# Altium PCB Main_PCB.PcbDoc (part 11 of 13) (continued)
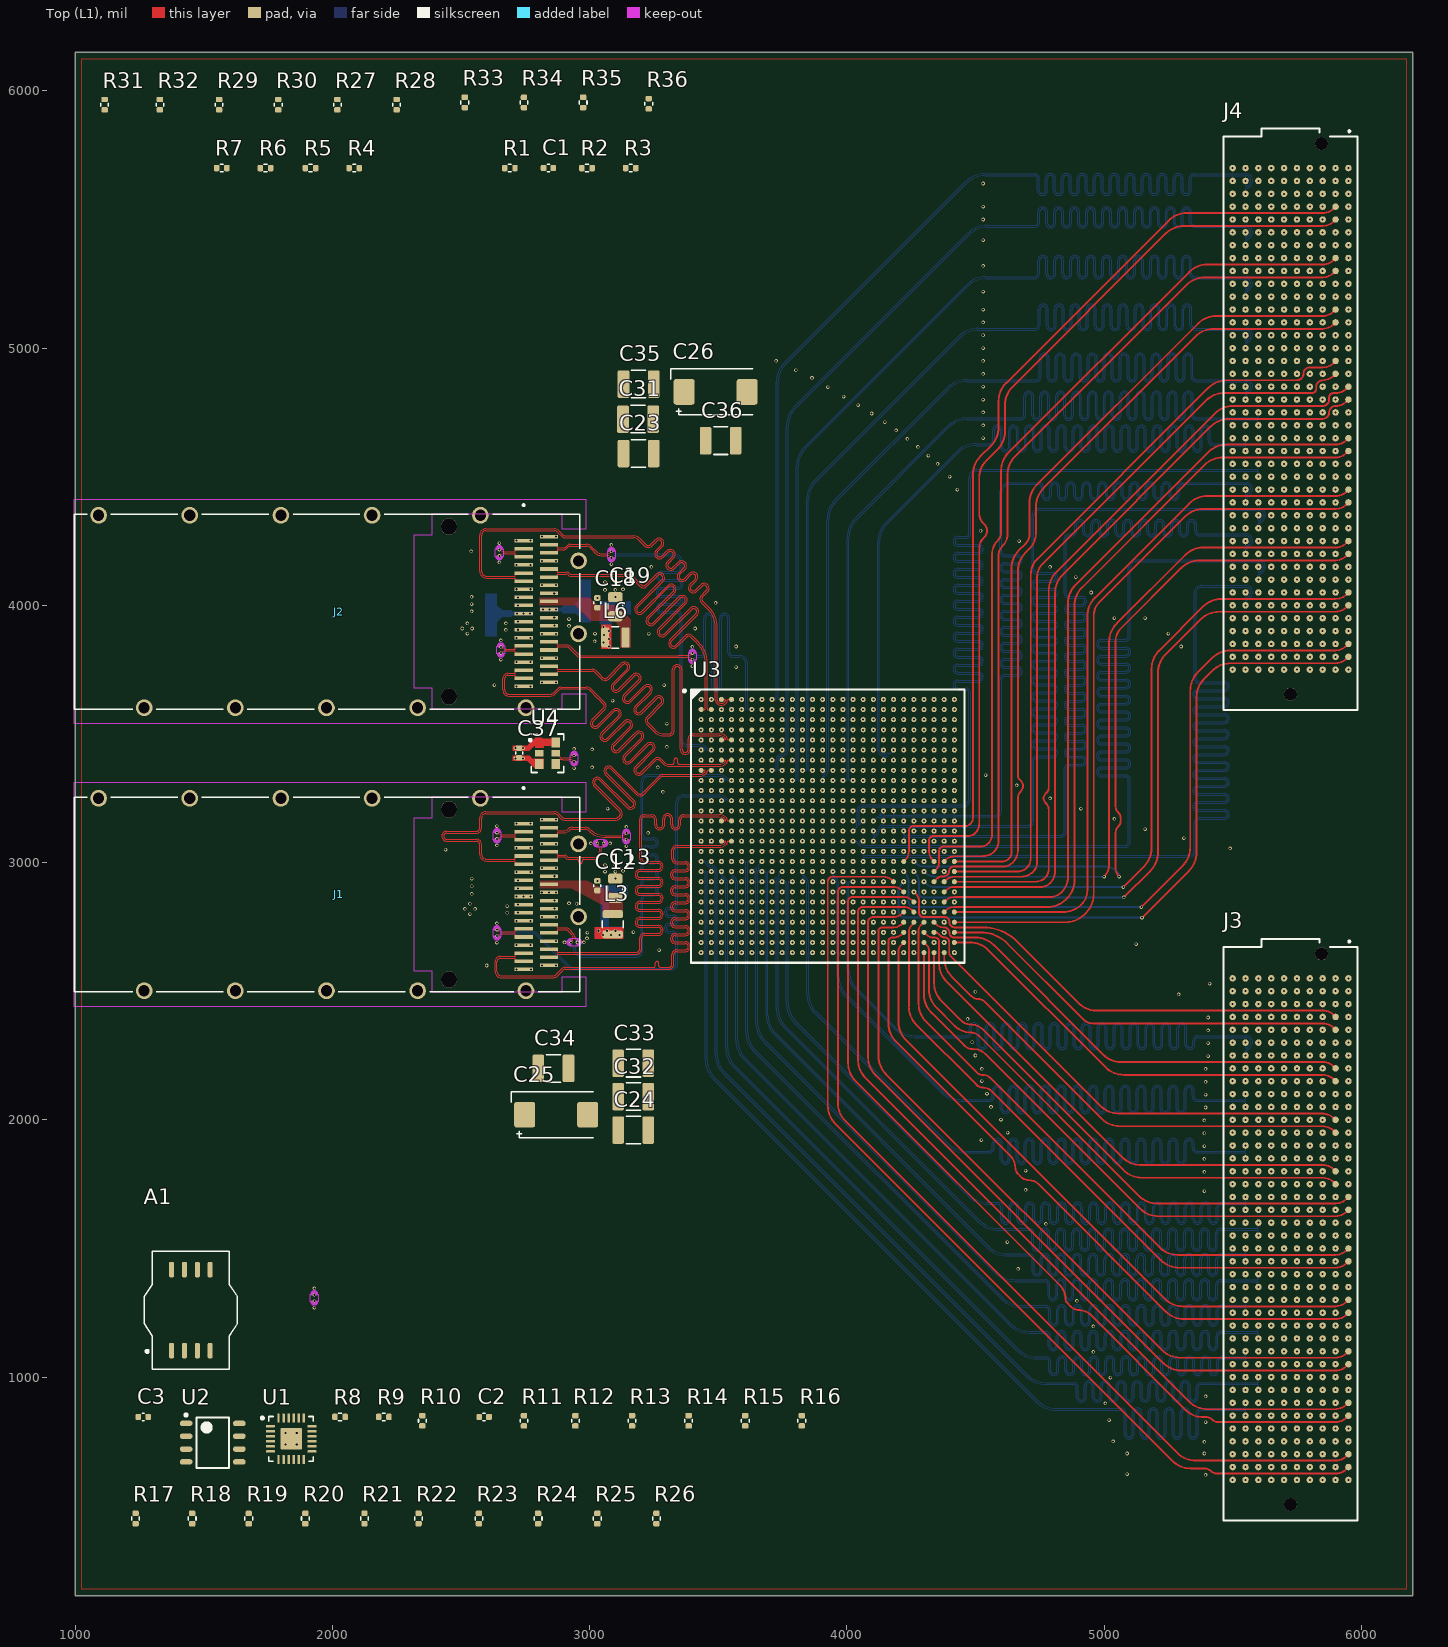
[diagram p0: Top (L1) view]
## Nets (pads, with @x,y where several pads share a name; then routed paths per layer and width w, separated by ;. In a path a pad name is that pad's centre, name@x,y a point inside that pad or via, vN(x,y) a via of type N, cw(c..) or ccw(c..) an arc to the next point about the centre after c; other vN are vias at no path point) (continued)
HPCC_B_62_N: J4.H37 U3.R20 | length 3813.9
  Int9 (L10) w3.5: v1(4181.89,3083.07) 4181.89,3070.64 ccw(c4185.39,3070.64) 4182.91,3068.16 ccw(c4185.39,3070.64) 4185.39,3067.14 5326.01,3067.14 ccw(c5326.01,3093.99) 5345,3075 ccw(c5332.93,3087.07) 5350,3087.07 5350,3288.92 5350,3327.37 cw(c5370.55,3327.37) 5370.55,3347.92 5465.61,3347.92 ccw(c5465.61,3359.67) 5465.61,3371.42 5368.71,3371.42 cw(c5368.71,3391.97) 5368.71,3412.52 5465.61,3412.52 ccw(c5465.61,3424.27) 5465.61,3436.02 5368.71,3436.02 cw(c5368.71,3456.57) 5368.71,3477.12 5465.61,3477.12 ccw(c5465.61,3488.87) 5465.61,3500.62 5368.71,3500.62 cw(c5368.71,3521.17) 5368.71,3541.72 5465.61,3541.72 ccw(c5465.61,3553.47) 5465.61,3565.22 5368.71,3565.22 cw(c5368.71,3585.77) 5368.71,3606.32 5465.61,3606.32 ccw(c5465.61,3618.07) 5465.61,3629.82 5368.71,3629.82 cw(c5368.71,3650.37) 5368.71,3670.92 5465.61,3670.92 ccw(c5465.61,3682.67) 5465.61,3694.42 5370.55,3694.42 cw(c5370.55,3714.97) 5350,3714.97 5350,3757 5350,3950.03 cw(c5379.97,3950.03) 5358.78,3971.22 cw(c5377.07,3952.93) 5377.07,3978.8 5602.93,3978.8 cw(c5602.93,3952.93) 5621.22,3971.22 cw(c5602.93,3952.93) 5628.8,3952.93 5628.8,3950 cw(c5604.66,3950) 5621.73,3932.93 5613.56,3924.76 cw(c5603.5,3934.84) 5603.5,3920.6 ccw(c5603.5,3917.1) 5601.03,3919.57 ccw(c5603.5,3917.1) 5600,3917.1 v1(5600,3900)
HPCC_B_62_P: J4.H36 U3.T20 | length 3786.6
  Int9 (L10) w3.5: v1(4181.89,3043.7) 4181.89,3056.14 cw(c4185.39,3056.14) 4182.91,3058.61 cw(c4185.39,3056.14) 4185.39,3059.64 4435,3059.64 ccw(c4438.14,3062.77) 4438.14,3058.34 5326.01,3058.34 ccw(c5326.01,3093.99) 5351.22,3068.78 ccw(c5332.93,3087.07) 5358.8,3087.07 5358.8,3288.92 5358.8,3327.37 cw(c5370.55,3327.37) 5370.55,3339.12 5465.61,3339.12 ccw(c5465.61,3359.67) 5465.61,3380.22 5368.71,3380.22 cw(c5368.71,3391.97) 5368.71,3403.72 5465.61,3403.72 ccw(c5465.61,3424.27) 5465.61,3444.82 5368.71,3444.82 cw(c5368.71,3456.57) 5368.71,3468.32 5465.61,3468.32 ccw(c5465.61,3488.87) 5465.61,3509.42 5368.71,3509.42 cw(c5368.71,3521.17) 5368.71,3532.92 5465.61,3532.92 ccw(c5465.61,3553.47) 5465.61,3574.02 5368.71,3574.02 cw(c5368.71,3585.77) 5368.71,3597.52 5465.61,3597.52 ccw(c5465.61,3618.07) 5465.61,3638.62 5368.71,3638.62 cw(c5368.71,3650.37) 5368.71,3662.12 5465.61,3662.12 ccw(c5465.61,3682.67) 5465.61,3703.22 5370.55,3703.22 cw(c5370.55,3714.97) 5358.8,3714.97 5358.8,3757 5358.8,3950.03 cw(c5379.97,3950.03) 5365,3965 cw(c5377.07,3952.93) 5377.07,3970 5602.93,3970 cw(c5602.93,3952.93) 5615,3965 cw(c5602.93,3952.93) 5620,3952.93 5620,3950 cw(c5604.66,3950) 5615.51,3939.15 5607.34,3930.99 cw(c5603.5,3934.84) 5603.5,3929.4 cw(c5603.5,3932.9) 5601.03,3930.43 cw(c5603.5,3932.9) 5600,3932.9 v1(5600,3950)
HPCC_B_63_N: J4.J3 U3.A8 | length 4815.9
  Bot (L12) w3.5: v1(3709.45,3634.25) 3721.86,3634.25 ccw(c3721.86,3637.75) 3724.33,3635.28 ccw(c3721.86,3637.75) 3725.36,3637.75 3725.36,4866.49 cw(c3832.91,4866.49) 3756.86,4942.54 4460.37,5646.05 cw(c4536.42,5570) 4536.42,5677.55 4701.35,5677.55 4729.39,5677.55 cw(c4729.39,5658.25) 4748.69,5658.25 4748.69,5612.82 ccw(c4760.44,5612.82) 4772.19,5612.82 4772.19,5659.37 cw(c4791.49,5659.37) 4810.79,5659.37 4810.79,5612.82 ccw(c4822.54,5612.82) 4834.29,5612.82 4834.29,5659.37 cw(c4853.59,5659.37) 4872.89,5659.37 4872.89,5612.82 ccw(c4884.64,5612.82) 4896.39,5612.82 4896.39,5659.37 cw(c4915.69,5659.37) 4934.99,5659.37 4934.99,5612.82 ccw(c4946.74,5612.82) 4958.49,5612.82 4958.49,5659.37 cw(c4977.79,5659.37) 4997.09,5659.37 4997.09,5612.82 ccw(c5008.84,5612.82) 5020.59,5612.82 5020.59,5659.37 cw(c5039.89,5659.37) 5059.19,5659.37 5059.19,5612.82 ccw(c5070.94,5612.82) 5082.69,5612.82 5082.69,5659.37 cw(c5101.99,5659.37) 5121.29,5659.37 5121.29,5612.82 ccw(c5133.04,5612.82) 5144.79,5612.82 5144.79,5659.37 cw(c5164.09,5659.37) 5183.39,5659.37 5183.39,5612.82 ccw(c5195.14,5612.82) 5206.89,5612.82 5206.89,5659.37 cw(c5226.19,5659.37) 5245.49,5659.37 5245.49,5612.82 ccw(c5257.24,5612.82) 5268.99,5612.82 5268.99,5659.37 cw(c5288.29,5659.37) 5307.59,5659.37 5307.59,5612.82 ccw(c5319.34,5612.82) 5331.09,5612.82 5331.09,5658.25 cw(c5350.39,5658.25) 5350.39,5677.55 5355.92,5677.55 5552.93,5677.55 cw(c5552.93,5652.93) 5570.34,5670.34 cw(c5552.93,5652.93) 5577.55,5652.93 5577.55,5650 cw(c5550.14,5650) 5569.52,5630.62 5564.81,5625.91 cw(c5553.5,5637.22) 5553.5,5621.22 ccw(c5553.5,5617.72) 5551.03,5620.2 ccw(c5553.5,5617.73) 5550,5617.73 v1(5550,5600)
HPCC_B_63_P: J4.J2 U3.A9 | length 4780.2
  Bot (L12) w3.5: v1(3748.82,3634.25) 3736.41,3634.25 cw(c3736.41,3637.75) 3733.93,3635.28 cw(c3736.41,3637.75) 3732.91,3637.75 3732.91,4866.49 cw(c3832.91,4866.49) 3762.2,4937.2 4465.71,5640.71 cw(c4536.42,5570) 4536.42,5670 4701.35,5670 4729.39,5670 cw(c4729.39,5658.25) 4741.14,5658.25 4741.14,5612.82 ccw(c4760.44,5612.82) 4779.74,5612.82 4779.74,5659.37 cw(c4791.49,5659.37) 4803.24,5659.37 4803.24,5612.82 ccw(c4822.54,5612.82) 4841.84,5612.82 4841.84,5659.37 cw(c4853.59,5659.37) 4865.34,5659.37 4865.34,5612.82 ccw(c4884.64,5612.82) 4903.94,5612.82 4903.94,5659.37 cw(c4915.69,5659.37) 4927.44,5659.37 4927.44,5612.82 ccw(c4946.74,5612.82) 4966.04,5612.82 4966.04,5659.37 cw(c4977.79,5659.37) 4989.54,5659.37 4989.54,5612.82 ccw(c5008.84,5612.82) 5028.14,5612.82 5028.14,5659.37 cw(c5039.89,5659.37) 5051.64,5659.37 5051.64,5612.82 ccw(c5070.94,5612.82) 5090.24,5612.82 5090.24,5659.37 cw(c5101.99,5659.37) 5113.74,5659.37 5113.74,5612.82 ccw(c5133.04,5612.82) 5152.34,5612.82 5152.34,5659.37 cw(c5164.09,5659.37) 5175.84,5659.37 5175.84,5612.82 ccw(c5195.14,5612.82) 5214.44,5612.82 5214.44,5659.37 cw(c5226.19,5659.37) 5237.94,5659.37 5237.94,5612.82 ccw(c5257.24,5612.82) 5276.54,5612.82 5276.54,5659.37 cw(c5288.29,5659.37) 5300.04,5659.37 5300.04,5612.82 ccw(c5319.34,5612.82) 5338.64,5612.82 5338.64,5658.25 cw(c5350.39,5658.25) 5350.39,5670 5355.92,5670 5552.93,5670 cw(c5552.93,5652.93) 5565,5665 cw(c5552.93,5652.93) 5570,5652.93 5570,5650 cw(c5550.14,5650) 5564.18,5635.96 5559.49,5631.27 cw(c5557.02,5633.74) 5558.36,5630.51 5554.85,5629.04 cw(c5553.5,5632.27) 5553.5,5628.78 cw(c5553.5,5632.28) 5551.03,5629.8 cw(c5553.5,5632.27) 5550,5632.27 v1(5550,5650)
HPCC_B_64_N: J4.J7 U3.H8 | length 4814.3
  Bot (L12) w3.5: v1(3709.45,3358.66) 3721.88,3358.66 ccw(c3721.88,3362.16) 3724.36,3359.69 ccw(c3721.88,3362.16) 3725.38,3362.16 3725.38,3401.6 cw(c3743.4,3401.6) 3730.66,3414.34 3730.71,3414.39 cw(c3748,3397.1) 3748,3421.55 3749.26,3421.55 ccw(c3749.26,3436.74) 3760,3426 ccw(c3747.93,3438.07) 3765,3438.07 3765,4696.13 cw(c3872.55,4696.13) 3796.5,4772.18 4470.37,5446.05 cw(c4546.42,5370) 4546.42,5477.55 4702,5477.55 4730.42,5477.55 ccw(c4730.42,5489.3) 4742.17,5489.3 4742.17,5529.16 cw(c4761.47,5529.16) 4780.77,5529.16 4780.77,5486.32 ccw(c4792.52,5486.32) 4804.27,5486.32 4804.27,5529.16 cw(c4823.57,5529.16) 4842.87,5529.16 4842.87,5486.32 ccw(c4854.62,5486.32) 4866.37,5486.32 4866.37,5529.16 cw(c4885.67,5529.16) 4904.97,5529.16 4904.97,5486.32 ccw(c4916.72,5486.32) 4928.47,5486.32 4928.47,5529.16 cw(c4947.77,5529.16) 4967.07,5529.16 4967.07,5486.32 ccw(c4978.82,5486.32) 4990.57,5486.32 4990.57,5529.16 cw(c5009.87,5529.16) 5029.17,5529.16 5029.17,5486.32 ccw(c5040.92,5486.32) 5052.67,5486.32 5052.67,5529.16 cw(c5071.97,5529.16) 5091.27,5529.16 5091.27,5486.32 ccw(c5103.02,5486.32) 5114.77,5486.32 5114.77,5529.16 cw(c5134.07,5529.16) 5153.37,5529.16 5153.37,5486.32 ccw(c5165.12,5486.32) 5176.87,5486.32 5176.87,5529.16 cw(c5196.17,5529.16) 5215.47,5529.16 5215.47,5486.32 ccw(c5227.22,5486.32) 5238.97,5486.32 5238.97,5529.16 cw(c5258.27,5529.16) 5277.57,5529.16 5277.57,5486.32 ccw(c5289.32,5486.32) 5301.07,5486.32 5301.07,5529.16 cw(c5320.37,5529.16) 5339.67,5529.16 5339.67,5489.3 ccw(c5351.42,5489.3) 5351.42,5477.55 5388,5477.55 5552.93,5477.55 cw(c5552.93,5452.93) 5570.34,5470.34 cw(c5552.93,5452.93) 5577.55,5452.93 5577.55,5450 cw(c5553.83,5450) 5570.6,5433.23 5561.46,5424.08 cw(c5553.5,5433.96) 5554.63,5421.33 5553.5,5421.23 ccw(c5553.5,5417.72) 5551.03,5420.2 ccw(c5553.5,5417.73) 5550,5417.73 v1(5550,5400)
HPCC_B_64_P: J4.J6 U3.H9 | length 4778.8
  Bot (L12) w3.5: v1(3748.82,3358.66) 3736.38,3358.66 cw(c3736.38,3362.16) 3733.91,3359.69 cw(c3736.38,3362.16) 3732.88,3362.16 3732.93,3362.21 3732.93,3401.6 cw(c3743.4,3401.6) 3736,3409 3736.05,3409.05 cw(c3748,3397.1) 3748,3414 3749.26,3414 ccw(c3749.26,3436.74) 3765.34,3420.66 ccw(c3747.93,3438.07) 3772.51,3436.62 ccw(c3769.01,3436.8) 3772.51,3436.89 cw(c3788.19,3437.4) 3772.51,3437.71 3772.55,3440 3772.55,3475.42 ccw(c3769.05,3475.42) 3772.54,3475.67 cw(c3788.19,3476.77) 3772.54,3477.88 ccw(c3769.05,3478.13) 3772.55,3478.13 3772.55,3514.81 ccw(c3769.05,3514.79) 3772.54,3515.01 cw(c3788.19,3516.14) 3772.5,3516.14 3772.5,3634.25 ; 3772.5,3634.29 3772.55,3655 3772.55,4696.13 cw(c3872.55,4696.13) 3801.84,4766.84 4475.71,5440.71 cw(c4546.42,5370) 4546.42,5470 4702,5470 4730.42,5470 ccw(c4730.42,5489.3) 4749.72,5489.3 4749.72,5529.16 cw(c4761.47,5529.16) 4773.22,5529.16 4773.22,5486.32 ccw(c4792.52,5486.32) 4811.82,5486.32 4811.82,5529.16 cw(c4823.57,5529.16) 4835.32,5529.16 4835.32,5486.32 ccw(c4854.62,5486.32) 4873.92,5486.32 4873.92,5529.16 cw(c4885.67,5529.16) 4897.42,5529.16 4897.42,5486.32 ccw(c4916.72,5486.32) 4936.02,5486.32 4936.02,5529.16 cw(c4947.77,5529.16) 4959.52,5529.16 4959.52,5486.32 ccw(c4978.82,5486.32) 4998.12,5486.32 4998.12,5529.16 cw(c5009.87,5529.16) 5021.62,5529.16 5021.62,5486.32 ccw(c5040.92,5486.32) 5060.22,5486.32 5060.22,5529.16 cw(c5071.97,5529.16) 5083.72,5529.16 5083.72,5486.32 ccw(c5103.02,5486.32) 5122.32,5486.32 5122.32,5529.16 cw(c5134.07,5529.16) 5145.82,5529.16 5145.82,5486.32 ccw(c5165.12,5486.32) 5184.42,5486.32 5184.42,5529.16 cw(c5196.17,5529.16) 5207.92,5529.16 5207.92,5486.32 ccw(c5227.22,5486.32) 5246.52,5486.32 5246.52,5529.16 cw(c5258.27,5529.16) 5270.02,5529.16 5270.02,5486.32 ccw(c5289.32,5486.32) 5308.62,5486.32 5308.62,5529.16 cw(c5320.37,5529.16) 5332.12,5529.16 5332.12,5489.3 ccw(c5351.42,5489.3) 5351.42,5470 5388,5470 5552.93,5470 cw(c5552.93,5452.93) 5565,5465 cw(c5552.93,5452.93) 5570,5452.93 5570,5450 cw(c5553.83,5450) 5565.26,5438.56 5557.17,5430.47 5557.17,5430.29 cw(c5553.5,5433.96) 5553.5,5428.77 cw(c5553.5,5432.28) 5551.03,5429.8 cw(c5553.5,5432.27) 5550,5432.27 v1(5550,5450)
HPCC_B_65_N: J4.J11 U3.J10 | length 4818.9
  Bot (L12) w3.5: v1(3788.19,3319.29) 3800.62,3319.29 ccw(c3800.62,3322.79) 3803.1,3320.32 ccw(c3800.62,3322.79) 3804.12,3322.79 3804.12,4540.25 cw(c3911.67,4540.25) 3835.62,4616.3 4465.37,5246.05 cw(c4541.42,5170) 4541.42,5277.55 4725,5277.55 4730.53,5277.55 ccw(c4730.53,5289.3) 4742.28,5289.3 4742.28,5341.3 cw(c4761.58,5341.3) 4780.88,5341.3 4780.88,5288.58 ccw(c4792.63,5288.58) 4804.38,5288.58 4804.38,5341.3 cw(c4823.68,5341.3) 4842.98,5341.3 4842.98,5288.58 ccw(c4854.73,5288.58) 4866.48,5288.58 4866.48,5341.3 cw(c4885.78,5341.3) 4905.08,5341.3 4905.08,5288.58 ccw(c4916.83,5288.58) 4928.58,5288.58 4928.58,5341.3 cw(c4947.88,5341.3) 4967.18,5341.3 4967.18,5288.58 ccw(c4978.93,5288.58) 4990.68,5288.58 4990.68,5341.3 cw(c5009.98,5341.3) 5029.28,5341.3 5029.28,5288.58 ccw(c5041.03,5288.58) 5052.78,5288.58 5052.78,5341.3 cw(c5072.08,5341.3) 5091.38,5341.3 5091.38,5288.58 ccw(c5103.13,5288.58) 5114.88,5288.58 5114.88,5341.3 cw(c5134.18,5341.3) 5153.48,5341.3 5153.48,5288.58 ccw(c5165.23,5288.58) 5176.98,5288.58 5176.98,5341.3 cw(c5196.28,5341.3) 5215.58,5341.3 5215.58,5288.58 ccw(c5227.33,5288.58) 5239.08,5288.58 5239.08,5341.3 cw(c5258.38,5341.3) 5277.68,5341.3 5277.68,5288.58 ccw(c5289.43,5288.58) 5301.18,5288.58 5301.18,5341.3 cw(c5320.48,5341.3) 5339.78,5341.3 5339.78,5289.3 ccw(c5351.53,5289.3) 5351.53,5277.55 5379,5277.55 5552.93,5277.55 cw(c5552.93,5252.93) 5570.34,5270.34 cw(c5552.93,5252.93) 5577.55,5252.93 5577.55,5250 cw(c5553.41,5250) 5570.48,5232.93 5562.47,5224.92 cw(c5557.17,5230.29) 5561.46,5224.08 cw(c5553.5,5233.96) 5554.63,5221.33 5553.5,5221.23 ccw(c5553.5,5217.72) 5551.03,5220.2 ccw(c5553.5,5217.73) 5550,5217.73 v1(5550,5200)
HPCC_B_65_P: J4.J10 U3.J11 | length 4783.4
  Bot (L12) w3.5: v1(3827.56,3319.29) 3815.12,3319.29 cw(c3815.12,3322.79) 3812.65,3320.32 cw(c3815.12,3322.79) 3811.62,3322.79 3811.62,3655 3811.67,3655.05 3811.67,4540.25 cw(c3911.67,4540.25) 3840.96,4610.96 4470.71,5240.71 cw(c4541.42,5170) 4541.42,5270 4725,5270 4730.53,5270 ccw(c4730.53,5289.3) 4749.83,5289.3 4749.83,5341.3 cw(c4761.58,5341.3) 4773.33,5341.3 4773.33,5288.58 ccw(c4792.63,5288.58) 4811.93,5288.58 4811.93,5341.3 cw(c4823.68,5341.3) 4835.43,5341.3 4835.43,5288.58 ccw(c4854.73,5288.58) 4874.03,5288.58 4874.03,5341.3 cw(c4885.78,5341.3) 4897.53,5341.3 4897.53,5288.58 ccw(c4916.83,5288.58) 4936.13,5288.58 4936.13,5341.3 cw(c4947.88,5341.3) 4959.63,5341.3 4959.63,5288.58 ccw(c4978.93,5288.58) 4998.23,5288.58 4998.23,5341.3 cw(c5009.98,5341.3) 5021.73,5341.3 5021.73,5288.58 ccw(c5041.03,5288.58) 5060.33,5288.58 5060.33,5341.3 cw(c5072.08,5341.3) 5083.83,5341.3 5083.83,5288.58 ccw(c5103.13,5288.58) 5122.43,5288.58 5122.43,5341.3 cw(c5134.18,5341.3) 5145.93,5341.3 5145.93,5288.58 ccw(c5165.23,5288.58) 5184.53,5288.58 5184.53,5341.3 cw(c5196.28,5341.3) 5208.03,5341.3 5208.03,5288.58 ccw(c5227.33,5288.58) 5246.63,5288.58 5246.63,5341.3 cw(c5258.38,5341.3) 5270.13,5341.3 5270.13,5288.58 ccw(c5289.43,5288.58) 5308.73,5288.58 5308.73,5341.3 cw(c5320.48,5341.3) 5332.23,5341.3 5332.23,5289.3 ccw(c5351.53,5289.3) 5351.53,5270 5379,5270 5552.93,5270 cw(c5552.93,5252.93) 5565,5265 cw(c5552.93,5252.93) 5570,5252.93 5570,5250 cw(c5553.41,5250) 5565.14,5238.27 5557.17,5230.29 cw(c5553.5,5233.96) 5553.5,5228.77 cw(c5553.5,5232.28) 5551.03,5229.8 cw(c5553.5,5232.27) 5550,5232.27 v1(5550,5250)
HPCC_B_66_N: J4.J15 U3.H11 | length 4818.3
  Bot (L12) w3.5: v1(3827.56,3358.66) 3839.99,3358.66 ccw(c3839.99,3362.16) 3842.47,3359.69 ccw(c3839.99,3362.16) 3843.49,3362.16 3843.49,4409.62 cw(c3951.04,4409.62) 3874.99,4485.67 4435.37,5046.05 cw(c4511.42,4970) 4511.42,5077.55 4708,5077.55 4732.42,5077.55 ccw(c4732.42,5089.3) 4744.17,5089.3 4744.17,5151.94 cw(c4763.47,5151.94) 4782.77,5151.94 4782.77,5087.2 ccw(c4794.52,5087.2) 4806.27,5087.2 4806.27,5151.94 cw(c4825.57,5151.94) 4844.87,5151.94 4844.87,5087.2 ccw(c4856.62,5087.2) 4868.37,5087.2 4868.37,5151.94 cw(c4887.67,5151.94) 4906.97,5151.94 4906.97,5087.2 ccw(c4918.72,5087.2) 4930.47,5087.2 4930.47,5151.94 cw(c4949.77,5151.94) 4969.07,5151.94 4969.07,5087.2 ccw(c4980.82,5087.2) 4992.57,5087.2 4992.57,5151.94 cw(c5011.87,5151.94) 5031.17,5151.94 5031.17,5087.2 ccw(c5042.92,5087.2) 5054.67,5087.2 5054.67,5151.94 cw(c5073.97,5151.94) 5093.27,5151.94 5093.27,5087.2 ccw(c5105.02,5087.2) 5116.77,5087.2 5116.77,5151.94 cw(c5136.07,5151.94) 5155.37,5151.94 5155.37,5087.2 ccw(c5167.12,5087.2) 5178.87,5087.2 5178.87,5151.94 cw(c5198.17,5151.94) 5217.47,5151.94 5217.47,5087.2 ccw(c5229.22,5087.2) 5240.97,5087.2 5240.97,5151.94 cw(c5260.27,5151.94) 5279.57,5151.94 5279.57,5087.2 ccw(c5291.32,5087.2) 5303.07,5087.2 5303.07,5151.94 cw(c5322.37,5151.94) 5341.67,5151.94 5341.67,5089.3 ccw(c5353.42,5089.3) 5353.42,5077.55 5390,5077.55 5552.93,5077.55 cw(c5552.93,5052.93) 5570.34,5070.34 cw(c5552.93,5052.93) 5577.55,5052.93 5577.55,5050 cw(c5553.41,5050) 5570.48,5032.93 5562.47,5024.92 cw(c5557.17,5030.29) 5561.46,5024.08 cw(c5553.5,5033.96) 5554.63,5021.33 5553.5,5021.23 ccw(c5553.5,5017.72) 5551.03,5020.2 ccw(c5553.5,5017.73) 5550,5017.73 v1(5550,5000)
HPCC_B_66_P: J4.J14 U3.H12 | length 4782.8
  Bot (L12) w3.5: v1(3866.93,3358.66) 3854.49,3358.66 cw(c3854.49,3362.16) 3852.02,3359.69 cw(c3854.49,3362.16) 3850.99,3362.16 3850.99,3655 3851.04,3655.05 3851.04,4409.62 cw(c3951.04,4409.62) 3880.33,4480.33 4440.71,5040.71 cw(c4511.42,4970) 4511.42,5070 4708,5070 4732.42,5070 ccw(c4732.42,5089.3) 4751.72,5089.3 4751.72,5151.94 cw(c4763.47,5151.94) 4775.22,5151.94 4775.22,5087.2 ccw(c4794.52,5087.2) 4813.82,5087.2 4813.82,5151.94 cw(c4825.57,5151.94) 4837.32,5151.94 4837.32,5087.2 ccw(c4856.62,5087.2) 4875.92,5087.2 4875.92,5151.94 cw(c4887.67,5151.94) 4899.42,5151.94 4899.42,5087.2 ccw(c4918.72,5087.2) 4938.02,5087.2 4938.02,5151.94 cw(c4949.77,5151.94) 4961.52,5151.94 4961.52,5087.2 ccw(c4980.82,5087.2) 5000.12,5087.2 5000.12,5151.94 cw(c5011.87,5151.94) 5023.62,5151.94 5023.62,5087.2 ccw(c5042.92,5087.2) 5062.22,5087.2 5062.22,5151.94 cw(c5073.97,5151.94) 5085.72,5151.94 5085.72,5087.2 ccw(c5105.02,5087.2) 5124.32,5087.2 5124.32,5151.94 cw(c5136.07,5151.94) 5147.82,5151.94 5147.82,5087.2 ccw(c5167.12,5087.2) 5186.42,5087.2 5186.42,5151.94 cw(c5198.17,5151.94) 5209.92,5151.94 5209.92,5087.2 ccw(c5229.22,5087.2) 5248.52,5087.2 5248.52,5151.94 cw(c5260.27,5151.94) 5272.02,5151.94 5272.02,5087.2 ccw(c5291.32,5087.2) 5310.62,5087.2 5310.62,5151.94 cw(c5322.37,5151.94) 5334.12,5151.94 5334.12,5089.3 ccw(c5353.42,5089.3) 5353.42,5070 5390,5070 5552.93,5070 cw(c5552.93,5052.93) 5565,5065 cw(c5552.93,5052.93) 5570,5052.93 5570,5050 cw(c5553.41,5050) 5565.14,5038.27 5557.17,5030.29 cw(c5553.5,5033.96) 5553.5,5028.77 cw(c5553.5,5032.28) 5551.03,5029.8 cw(c5553.5,5032.27) 5550,5032.27 v1(5550,5050)
HPCC_B_67_N: J4.J19 U3.H13 | length 4800.7
  Bot (L12) w3.5: v1(3906.3,3358.66) 3906.3,3346.23 ccw(c3909.8,3346.23) 3907.32,3343.75 ccw(c3909.8,3346.23) 3909.8,3342.73 ccw(c3909.8,3346.23) 3912.27,3343.75 ccw(c3888.83,3367.2) 3921.99,3367.2 3921.99,3633.65 cw(c3925.74,3633.65) 3921.99,3633.73 3921.99,3634.06 cw(c3925.74,3633.98) 3922,3634.15 3922.36,3642.17 ccw(c3918.87,3642.3) 3922.37,3642.27 3922.5,3655.08 3922.5,4333.63 cw(c4030.05,4333.63) 3954,4409.68 4390.37,4846.05 cw(c4466.42,4770) 4466.42,4877.55 4731,4877.55 4736.53,4877.55 ccw(c4736.53,4889.3) 4748.28,4889.3 4748.28,4960.87 cw(c4767.58,4960.87) 4786.88,4960.87 4786.88,4887.96 ccw(c4798.63,4887.96) 4810.38,4887.96 4810.38,4960.87 cw(c4829.68,4960.87) 4848.98,4960.87 4848.98,4887.96 ccw(c4860.73,4887.96) 4872.48,4887.96 4872.48,4960.87 cw(c4891.78,4960.87) 4911.08,4960.87 4911.08,4887.96 ccw(c4922.83,4887.96) 4934.58,4887.96 4934.58,4960.87 cw(c4953.88,4960.87) 4973.18,4960.87 4973.18,4887.96 ccw(c4984.93,4887.96) 4996.68,4887.96 4996.68,4960.87 cw(c5015.98,4960.87) 5035.28,4960.87 5035.28,4887.96 ccw(c5047.03,4887.96) 5058.78,4887.96 5058.78,4960.87 cw(c5078.08,4960.87) 5097.38,4960.87 5097.38,4887.96 ccw(c5109.13,4887.96) 5120.88,4887.96 5120.88,4960.87 cw(c5140.18,4960.87) 5159.48,4960.87 5159.48,4887.96 ccw(c5171.23,4887.96) 5182.98,4887.96 5182.98,4960.87 cw(c5202.28,4960.87) 5221.58,4960.87 5221.58,4887.96 ccw(c5233.33,4887.96) 5245.08,4887.96 5245.08,4960.87 cw(c5264.38,4960.87) 5283.68,4960.87 5283.68,4887.96 ccw(c5295.43,4887.96) 5307.18,4887.96 5307.18,4960.87 cw(c5326.48,4960.87) 5345.78,4960.87 5345.78,4889.3 ccw(c5357.53,4889.3) 5357.53,4877.55 5388,4877.55 5552.93,4877.55 cw(c5552.93,4852.93) 5570.34,4870.34 cw(c5552.93,4852.93) 5577.55,4852.93 5577.55,4850 cw(c5553.41,4850) 5570.48,4832.93 5562.47,4824.92 cw(c5557.17,4830.29) 5561.46,4824.08 cw(c5553.5,4833.96) 5554.63,4821.33 5553.5,4821.23 ccw(c5553.5,4817.72) 5551.03,4820.2 ccw(c5553.5,4817.73) 5550,4817.73 v1(5550,4800)
HPCC_B_67_P: J4.J18 U3.J13 | length 4776.9
  Bot (L12) w3.5: v1(3906.3,3319.29) 3906.3,3331.73 cw(c3909.8,3331.73) 3907.32,3334.2 cw(c3909.8,3331.73) 3909.8,3335.23 ; 3909.84,3335.23 ccw(c3909.84,3346.13) 3917.55,3338.42 3917.59,3338.46 ccw(c3888.88,3367.18) 3917.63,3338.5 ccw(c3888.88,3367.18) 3929.49,3367.18 3929.49,3397.89 ; 3929.49,3398.03 3929.49,3633.6 3929.49,3633.85 3929.85,3641.8 ccw(c3918.87,3642.3) 3929.87,3642.23 3930,3655 3930.05,3655.05 3930.05,4333.63 cw(c4030.05,4333.63) 3959.34,4404.34 4395.71,4840.71 cw(c4466.42,4770) 4466.42,4870 4731,4870 4736.53,4870 ccw(c4736.53,4889.3) 4755.83,4889.3 4755.83,4960.87 cw(c4767.58,4960.87) 4779.33,4960.87 4779.33,4887.96 ccw(c4798.63,4887.96) 4817.93,4887.96 4817.93,4960.87 cw(c4829.68,4960.87) 4841.43,4960.87 4841.43,4887.96 ccw(c4860.73,4887.96) 4880.03,4887.96 4880.03,4960.87 cw(c4891.78,4960.87) 4903.53,4960.87 4903.53,4887.96 ccw(c4922.83,4887.96) 4942.13,4887.96 4942.13,4960.87 cw(c4953.88,4960.87) 4965.63,4960.87 4965.63,4887.96 ccw(c4984.93,4887.96) 5004.23,4887.96 5004.23,4960.87 cw(c5015.98,4960.87) 5027.73,4960.87 5027.73,4887.96 ccw(c5047.03,4887.96) 5066.33,4887.96 5066.33,4960.87 cw(c5078.08,4960.87) 5089.83,4960.87 5089.83,4887.96 ccw(c5109.13,4887.96) 5128.43,4887.96 5128.43,4960.87 cw(c5140.18,4960.87) 5151.93,4960.87 5151.93,4887.96 ccw(c5171.23,4887.96) 5190.53,4887.96 5190.53,4960.87 cw(c5202.28,4960.87) 5214.03,4960.87 5214.03,4887.96 ccw(c5233.33,4887.96) 5252.63,4887.96 5252.63,4960.87 cw(c5264.38,4960.87) 5276.13,4960.87 5276.13,4887.96 ccw(c5295.43,4887.96) 5314.73,4887.96 5314.73,4960.87 cw(c5326.48,4960.87) 5338.23,4960.87 5338.23,4889.3 ccw(c5357.53,4889.3) 5357.53,4870 5388,4870 5552.93,4870 cw(c5552.93,4852.93) 5565,4865 cw(c5552.93,4852.93) 5570,4852.93 5570,4850 cw(c5553.41,4850) 5565.14,4838.27 5557.17,4830.29 cw(c5553.5,4833.96) 5553.5,4828.77 cw(c5553.5,4832.28) 5551.03,4829.8 cw(c5553.5,4832.27) 5550,4832.27 v1(5550,4850)
HPCC_B_68_N: J4.J23 U3.F20 | length 4791.3
  Bot (L12) w3.5: 4162.35,3422.88 ccw(c4157.08,3417.54) 4157.08,3425.04 ccw(c4157.08,3417.54) 4155,3424.75 4148.98,3423.03 ccw(c4151.99,3412.45) 4148.09,3422.74 cw(c4142.52,3437.4) 4126.83,3437.56 4127.01,3455.04 ccw(c4119.51,3455.11) 4127,3455.22 4127.01,3473.79 ccw(c4116.01,3473.74) 4126.94,3474.91 4126.91,3475.26 cw(c4142.52,3476.77) 4126.83,3476.77 4126.83,3634.25 cw(c4142.52,3634.25) 4126.94,3636.07 ccw(c4116.01,3637.28) 4127.01,3637.24 4127.01,4245.58 cw(c4227.01,4245.58) 4156.29,4316.29 4431.94,4591.94 cw(c4502.65,4521.23) 4502.65,4621.23 4549.35,4621.23 4554.88,4621.23 ccw(c4554.88,4640.52) 4574.18,4640.52 4574.18,4681.49 cw(c4585.93,4681.49) 4597.68,4681.49 4597.68,4615.36 ccw(c4616.98,4615.36) 4636.28,4615.36 4636.28,4681.49 cw(c4648.03,4681.49) 4659.78,4681.49 4659.78,4615.36 ccw(c4679.08,4615.36) 4698.38,4615.36 4698.38,4681.49 cw(c4710.13,4681.49) 4721.88,4681.49 4721.88,4615.36 ccw(c4741.18,4615.36) 4760.48,4615.36 4760.48,4681.49 cw(c4772.23,4681.49) 4783.98,4681.49 4783.98,4615.36 ccw(c4803.28,4615.36) 4822.58,4615.36 4822.58,4681.49 cw(c4834.33,4681.49) 4846.08,4681.49 4846.08,4615.36 ccw(c4865.38,4615.36) 4884.68,4615.36 4884.68,4681.49 cw(c4896.43,4681.49) 4908.18,4681.49 4908.18,4615.36 ccw(c4927.48,4615.36) 4946.78,4615.36 4946.78,4681.49 cw(c4958.53,4681.49) 4970.28,4681.49 4970.28,4615.36 ccw(c4989.58,4615.36) 5008.88,4615.36 5008.88,4681.49 cw(c5020.63,4681.49) 5032.38,4681.49 5032.38,4615.36 ccw(c5051.68,4615.36) 5070.98,4615.36 5070.98,4681.49 cw(c5082.73,4681.49) 5094.48,4681.49 5094.48,4615.36 ccw(c5113.78,4615.36) 5133.08,4615.36 5133.08,4681.49 cw(c5144.83,4681.49) 5156.58,4681.49 5156.58,4615.36 ccw(c5175.88,4615.36) 5195.18,4615.36 5195.18,4681.49 cw(c5206.93,4681.49) 5218.68,4681.49 5218.68,4615.36 ccw(c5237.98,4615.36) 5257.28,4615.36 5257.28,4681.49 cw(c5269.03,4681.49) 5280.78,4681.49 5280.78,4615.36 ccw(c5300.08,4615.36) 5319.38,4615.36 5319.38,4681.49 cw(c5331.13,4681.49) 5342.88,4681.49 5342.88,4615.36 ccw(c5362.18,4615.36) 5381.48,4615.36 5381.48,4681.49 cw(c5393.23,4681.49) 5404.98,4681.49 5404.98,4640.52 ccw(c5424.28,4640.52) 5424.28,4621.22 5467,4621.23 5546.5,4621.23 cw(c5546.5,4617.72) 5548.97,4620.2 cw(c5546.5,4617.73) 5550,4617.73 v1(5550,4600) ; 4162.38,3422.84 ccw(c4164.86,3425.32) 4164.86,3421.82 ccw(c4164.86,3425.32) 4167.33,3422.84 v1(4181.89,3437.4)
HPCC_B_68_P: J4.J22 U3.G19 | length 4809
  Bot (L12) w3.5: v1(4142.52,3398.03) 4157.08,3412.59 ccw(c4154.6,3415.06) 4158.1,3415.06 ccw(c4154.6,3415.06) 4157.08,3417.54 4151.03,3415.82 ccw(c4151.99,3412.45) 4150.75,3415.72 cw(c4142.52,3437.4) 4119.33,3437.63 4119.51,3455.11 cw(c4123.25,3455.19) 4119.5,3455.19 4119.51,3473.77 ccw(c4116.01,3473.74) 4119.49,3474.08 4119.45,3474.49 cw(c4142.52,3476.77) 4119.33,3476.77 4119.33,3634.25 cw(c4142.52,3634.25) 4119.49,3636.91 ccw(c4116.01,3637.28) 4119.51,3637.26 4119.51,3655 4119.46,3655.05 4119.46,4245.58 cw(c4227.01,4245.58) 4150.96,4321.63 4426.6,4597.27 cw(c4502.65,4521.23) 4502.65,4628.78 4549.35,4628.77 4554.88,4628.77 ccw(c4554.88,4640.52) 4566.63,4640.52 4566.63,4681.49 cw(c4585.93,4681.49) 4605.23,4681.49 4605.23,4615.36 ccw(c4616.98,4615.36) 4628.73,4615.36 4628.73,4681.49 cw(c4648.03,4681.49) 4667.33,4681.49 4667.33,4615.36 ccw(c4679.08,4615.36) 4690.83,4615.36 4690.83,4681.49 cw(c4710.13,4681.49) 4729.43,4681.49 4729.43,4615.36 ccw(c4741.18,4615.36) 4752.93,4615.36 4752.93,4681.49 cw(c4772.23,4681.49) 4791.53,4681.49 4791.53,4615.36 ccw(c4803.28,4615.36) 4815.03,4615.36 4815.03,4681.49 cw(c4834.33,4681.49) 4853.63,4681.49 4853.63,4615.36 ccw(c4865.38,4615.36) 4877.13,4615.36 4877.13,4681.49 cw(c4896.43,4681.49) 4915.73,4681.49 4915.73,4615.36 ccw(c4927.48,4615.36) 4939.23,4615.36 4939.23,4681.49 cw(c4958.53,4681.49) 4977.83,4681.49 4977.83,4615.36 ccw(c4989.58,4615.36) 5001.33,4615.36 5001.33,4681.49 cw(c5020.63,4681.49) 5039.93,4681.49 5039.93,4615.36 ccw(c5051.68,4615.36) 5063.43,4615.36 5063.43,4681.49 cw(c5082.73,4681.49) 5102.03,4681.49 5102.03,4615.36 ccw(c5113.78,4615.36) 5125.53,4615.36 5125.53,4681.49 cw(c5144.83,4681.49) 5164.13,4681.49 5164.13,4615.36 ccw(c5175.88,4615.36) 5187.63,4615.36 5187.63,4681.49 cw(c5206.93,4681.49) 5226.23,4681.49 5226.23,4615.36 ccw(c5237.98,4615.36) 5249.73,4615.36 5249.73,4681.49 cw(c5269.03,4681.49) 5288.33,4681.49 5288.33,4615.36 ccw(c5300.08,4615.36) 5311.83,4615.36 5311.83,4681.49 cw(c5331.13,4681.49) 5350.43,4681.49 5350.43,4615.36 ccw(c5362.18,4615.36) 5373.93,4615.36 5373.93,4681.49 cw(c5393.23,4681.49) 5412.53,4681.49 5412.53,4640.52 ccw(c5424.28,4640.52) 5424.28,4628.77 5467,4628.77 5546.5,4628.77 ccw(c5546.5,4632.28) 5548.97,4629.8 ccw(c5546.5,4632.27) 5550,4632.27 v1(5550,4650)